# KiCad board dilemma.kicad_pcb (continued)
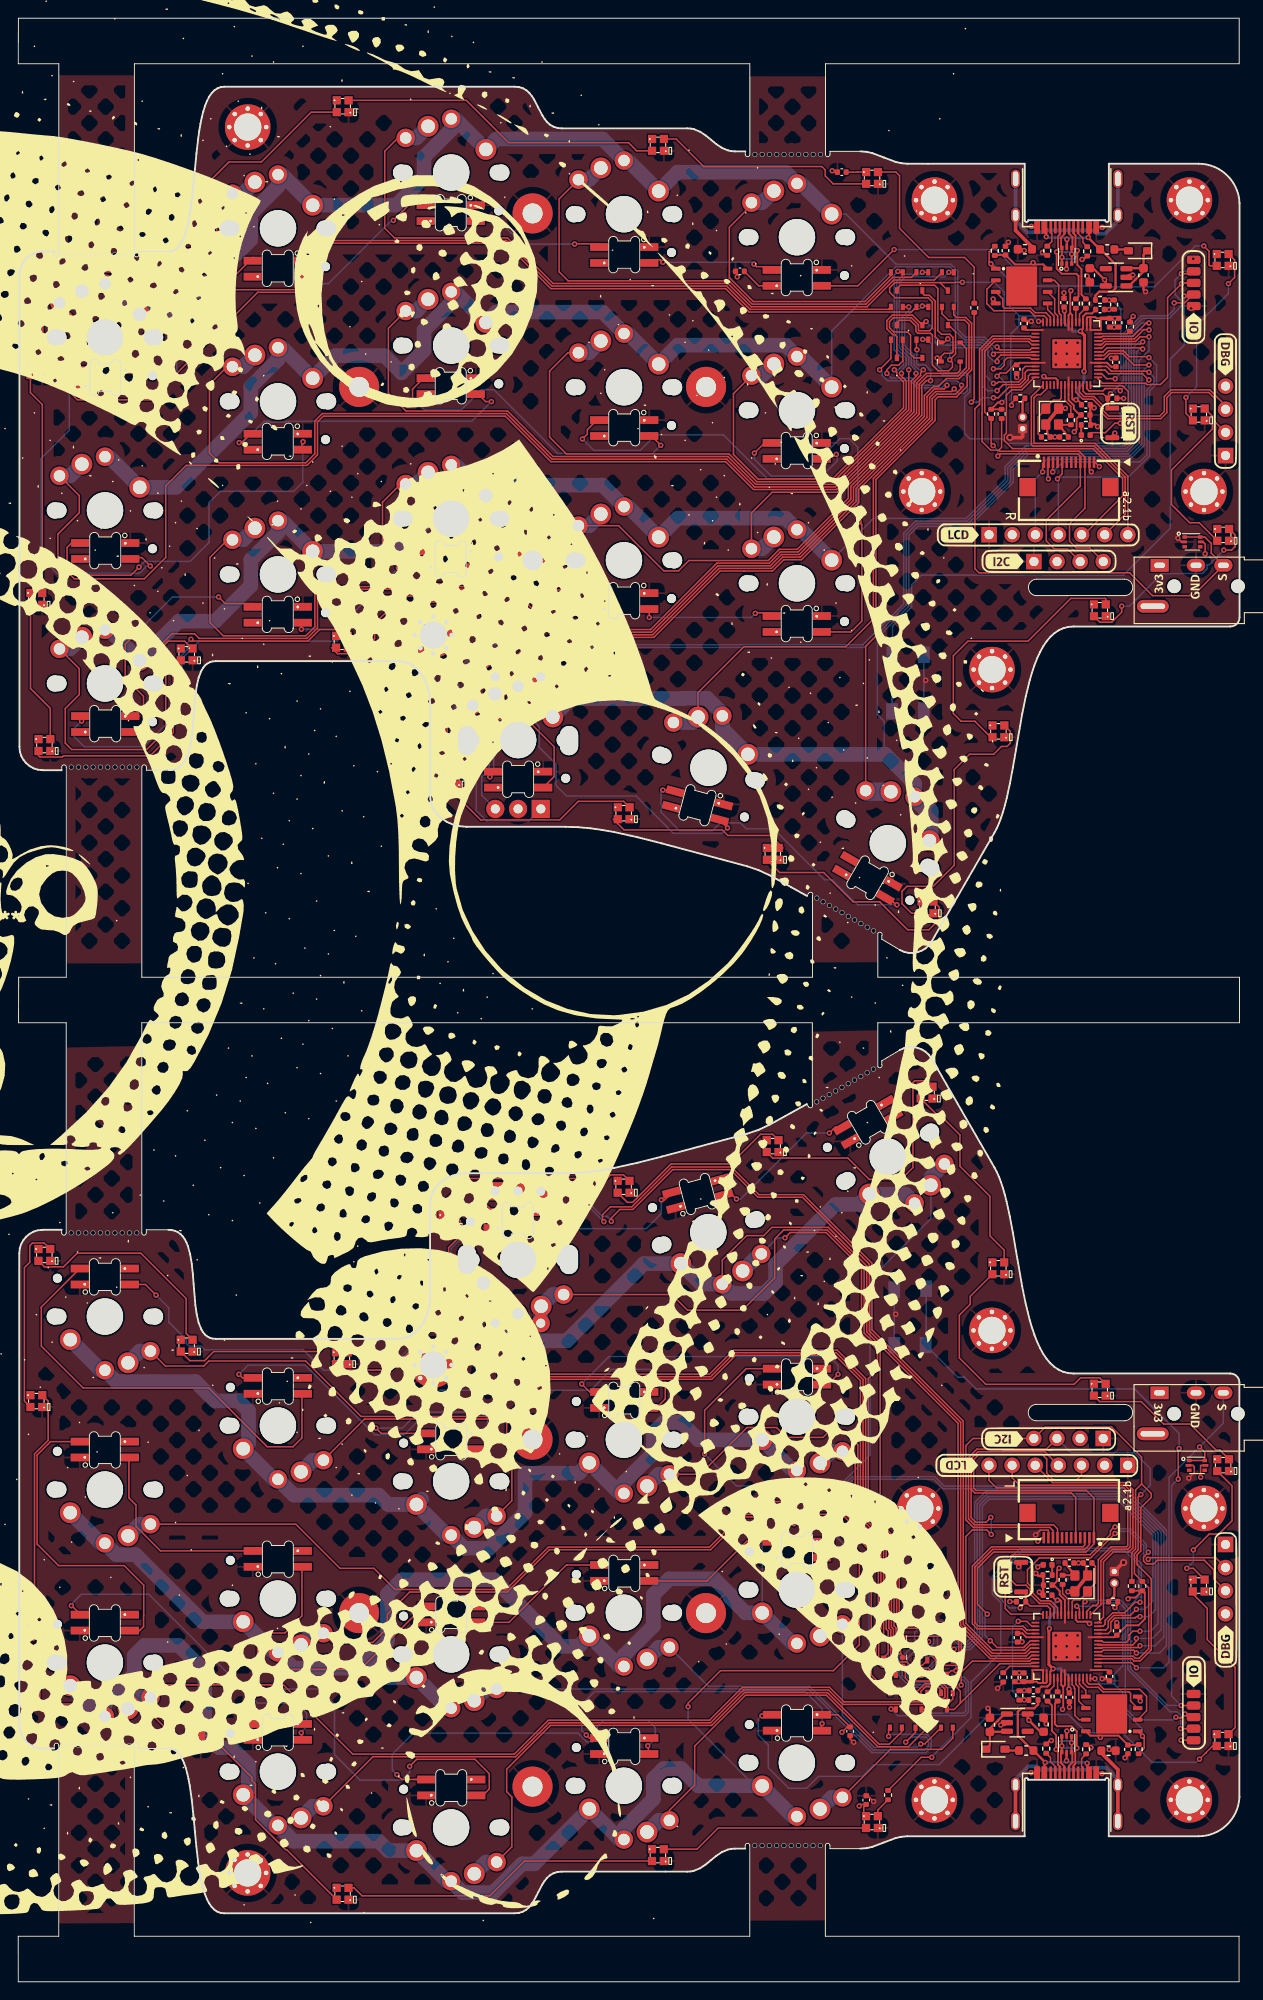
[diagram p0: board, top side]
## Routing (per net, layer and track width the routed paths; a pad name or vN(x,y) marks a point on that pad's centre or on a via; arc(x,y) is an arc through that point) (continued)
  Bottom w0.16: v1(99.41,177) 98.93,177 98.38,177.55 98.38,178.63 97.36,179.65 97.36,182.65 98.39,183.69 98.99,183.69 v1(99.31,184)
  Bottom w1.6: SW102.2 5.71,165.35 SW102.2
Net-(D30-A-Pad2): length 120.3
  Top w0.16: SW101.2 6.71,182.18 6.71,179.94 5.37,178.6 5.37,174.82 6.49,173.7 14.51,173.7 26.31,185.5 31.71,185.5 32.97,186.76 32.97,190.36 33.51,190.9 53.51,190.9 58.51,185.9 77.71,185.9 80.26,183.34 98.1,183.34 D30.2
  Bottom w1.6: SW101.2 5.71,184.35 SW101.2
Net-(D31-A-Pad1): length 116
  Top w0.16: SW105.2 22.94,177.33 21.01,175.4 21.01,167.85 22.07,166.79 31.59,166.79 32.58,167.77 32.58,171.38 33.39,172.19 53.63,172.19 58.63,167.19 77.83,167.19 80.88,164.14 89.76,164.14 98.09,172.47 98.09,175.77 98.61,176.29 v1(98.61,176.6) ; v1(97.81,183.9) D31.1
  Bottom w0.16: v1(98.61,176.6) 98.61,176.91 98.09,177.43 98.09,178.51 97.07,179.53 97.07,182.77 97.96,183.65 97.71,183.9 v1(97.81,183.9)
  Bottom w1.6: SW105.2 24.71,177.33 SW105.2
Net-(D31-A-Pad2): length 94.7
  Top w0.16: D31.2 95.59,183.63 80.38,183.63 77.83,186.19 58.63,186.19 53.63,191.19 33.39,191.19 32.68,190.48 32.68,186.87 31.59,185.79 23.87,185.79 21.81,187.85 21.81,194.6 SW104.2
  Bottom w1.6: SW104.2 24.71,196.33 SW104.2
Net-(D32-A-Pad1): length 98.3
  Top w0.16: D32.1 v1(102.21,187.7) ; v1(97.81,177) 97.81,172.59 89.64,164.42 81,164.42 77.95,167.47 58.75,167.47 53.75,172.47 42.59,172.47 40.66,174.4 40.66,181.55 SW108.2
  Bottom w0.16: v1(97.81,177) 97.81,178.39 96.79,179.41 96.79,179.71 96.79,186.57 97.41,187.19 100.11,187.19 100.12,187.2 101.71,187.2 v1(102.21,187.7)
  Bottom w1.6: SW108.2 43.74,183.45 SW108.2
Net-(D32-A-Pad2): length 80.7
  Top w0.16: D32.2 100.62,186.86 96.17,186.86 93.22,183.92 80.5,183.92 77.95,186.47 58.75,186.47 53.75,191.47 41.34,191.47 40.26,192.55 40.26,201 41.71,202.45 SW107.2
  Bottom w1.6: SW107.2 43.74,202.45 SW107.2
Net-(D33-A-Pad1): length 77.5
  Top w0.16: v1(97.01,176.6) 97.01,176.29 97.21,176.09 97.23,176.09 97.52,175.79 97.52,172.71 89.52,164.71 81.12,164.71 78.06,167.76 60.2,167.76 58.36,169.6 58.36,176.85 60.39,178.88 SW113.2 ; v1(99.31,187.7) 99.95,187.7 D33.1
  Bottom w0.16: v1(99.31,187.7) 99.09,187.48 97.29,187.48 96.5,186.69 96.5,179.29 97.52,178.27 97.52,177.43 97.01,176.91 v1(97.01,176.6)
  Bottom w1.6: SW113.2 62.71,178.88 SW113.2
Net-(D33-A-Pad2): length 56.2
  Top w0.16: D33.2 98.09,187.14 96.05,187.14 93.11,184.2 80.62,184.2 78.06,186.76 60.4,186.76 59.41,187.75 59.41,195.75 SW112.2
  Bottom w1.6: SW112.2 62.71,197.88 SW112.2
Net-(D34-A-Pad1): length 52.8
  Top w0.16: D34.1 96.71,187.7 v1(96.61,187.8) ; v1(96.23,177) 96.5,176.72 96.5,176.39 97.09,175.8 97.11,175.8 97.24,175.67 97.24,172.83 89.4,164.99 81.26,164.99 78.56,167.7 78.56,174.38 SW116.2
  Bottom w0.16: v1(96.23,177) 96.69,177 96.72,177.03 96.72,177.03 97.24,177.55 97.24,178.15 96.21,179.18 96.21,187.4 v1(96.61,187.8)
  Bottom w1.6: SW116.2 81.71,176.35 SW116.2
Net-(D34-A-Pad2): length 32.6
  Top w0.16: D34.2 95.86,187.36 92.99,184.49 80.74,184.49 78.18,187.05 78.11,187.05 78.11,192.65 80.53,195.08 SW115.2
  Bottom w1.6: SW115.2 81.71,195.35 SW115.2
Net-(D35-A-Pad1): length 73.2
  Top w0.16: v1(95.41,176.6) 95.41,177 95.91,177.5 96.71,177.5 97.16,177.95 D35.1 ; v1(103.61,175.3) 103.61,174.98 102.94,174.32 100.89,174.32 100.39,173.82 100.39,171.52 93.92,165.06 93.92,149.61 90.91,146.6 79.71,146.6 74.67,141.56 SW118.2
  Bottom w0.16: v1(95.41,176.6) 95.91,176.09 98.12,176.09 98.91,175.3 101.11,175.3 101.61,175.81 103.1,175.81 v1(103.61,175.3)
  Bottom w1.6: SW118.2 74.07,138.27 SW118.2
Net-(D35-A-Pad2): length 156.1
  Top w0.16: D35.2 95.86,178.25 v1(94.61,177) ; v1(102.01,175.3) 102.01,175.2 101.7,174.89 100.65,174.89 99.81,174.06 99.81,171.76 92.03,163.97 92.03,162.54 85.91,156.42 83.96,156.42 82.73,155.19 76.97,155.19 69.68,147.9 58.51,147.9 53.51,152.9 33.51,152.9 32.87,152.26 32.87,148.66 31.71,147.5 19.88,147.5 19.37,148.01 16.87,148.01 15.68,146.82 15.68,144.42 16.2,143.9 16.2,137.4 14.11,135.3 5.87,135.3 5.17,136 5.17,139.8 6.71,141.34 6.71,144.18 SW103.2
  Bottom w0.16: v1(102.01,175.3) 101.7,175.3 101.7,175.29 101.43,175.01 98.79,175.01 98,175.8 95.48,175.8 94.9,176.39 94.9,176.7 v1(94.61,177)
  Bottom w1.6: SW103.2 5.71,146.35 SW103.2
Net-(D36-A-Pad1): length 63.3
  Top w0.16: D36.1 102.76,183.05 103.07,182.74 104.07,182.74 104.71,182.1 104.71,176.99 104.22,176.5 104.22,175.19 103.07,174.05 103.07,174.03 101.04,174.03 100.71,173.7 100.71,171.44 94.21,164.94 94.21,147.76 93.08,146.63 SW119.2
  Bottom w2: SW119.2 93.2,130.67 SW119.2
Net-(D36-A-Pad2): length 127
  Top w0.16: D36.2 101.46,183.15 102.15,182.46 103.95,182.46 104.43,181.98 104.43,177.11 103.35,176.03 101.94,176.03 101.09,175.18 100.53,175.18 99.53,174.18 99.53,171.88 91.74,164.09 91.74,162.66 85.79,156.71 83.84,156.71 82.61,155.48 76.85,155.48 69.56,148.19 58.63,148.19 53.63,153.19 33.39,153.19 32.58,152.38 32.58,148.77 31.59,147.79 22.52,147.79 21.06,149.25 21.06,156.4 22.99,158.33 SW106.2
  Bottom w1.6: SW106.2 24.71,158.33 SW106.2
Net-(D37-A-Pad2): length 96.5
  Top w0.16: v1(100.21,175.81) 99.75,175.81 99.24,175.3 99.24,172 91.45,164.21 91.45,162.78 85.67,157 83.72,157 82.49,155.76 76.73,155.76 69.44,148.47 58.75,148.47 53.72,153.5 41.56,153.5 40.01,155.05 40.01,162.45 42.01,164.45 SW109.2 ; D37.2 98.66,179.14
  Bottom w0.16: v1(100.21,175.81) 100.21,176.91 99.62,177.5 98.83,177.5 98.67,177.66 98.67,179.16 v1(98.71,179.2)
  Bottom w1.6: SW109.2 43.74,164.45 SW109.2
Net-(D112-A): length 62.7
  Top w0.16: D112.2 104.14,179.32 104.14,177.23 103.23,176.31 99.85,176.31 98.95,175.42 98.95,172.12 91.17,164.33 91.17,162.9 85.55,157.28 83.6,157.28 82.37,156.05 73.66,156.05 72.52,154.91 70.92,154.91 65.95,159.88 SW114.2
  Bottom w1.6: SW114.2 62.71,159.88 SW114.2
Net-(D115-A): length 39.2
  Top w0.16: SW117.2 80.53,161.28 82.81,163.55 89.98,163.55 98.67,172.23 98.67,175.54 99.73,176.6 103.11,176.6 103.46,176.95 D115.2
  Bottom w1.6: SW117.2 81.71,157.35 SW117.2
Net-(D5001-K): length 1.1
  Top w0.2: 113.54,45.68 113.57,45.65 113.57,44.56
Net-(D5002-A-Pad1): length 118.2
  Top w0.16: SW5003.2 30.49,50.25 35.34,45.39 39.07,45.39 41.39,43.08 53.57,43.08 58.22,47.72 75.92,47.72 79.53,51.33 89.45,51.33 89.45,51.33 90.88,51.33 94.76,47.45 94.76,38.77 94.51,38.52 94.51,35.32 94.99,34.83 97.3,34.83 97.69,34.45 99.93,34.45 100.5,33.88 100.5,33.42 101.79,32.13 101.79,31.27 101.62,31.1 100.96,31.1 100.86,31.2 100.86,32.15 100.27,32.74 99.59,32.74 98.55,31.7 D5002.1
  Bottom w1.6: SW5003.2 13.34,50.25 SW5003.2
Net-(D5002-A-Pad2): length 96.5
  Top w0.16: SW5002.2 15.88,32.6 29.14,32.6 36.74,25 54.5,25 58.22,28.72 75.92,28.72 79.53,32.33 89.11,32.33 90.7,30.75 99.51,30.75 99.85,31.08 D5002.2
  Bottom w1.6: SW5002.2 13.34,31.25 SW5002.2
Net-(D5003-A-Pad1): length 74.7
  Top w0.16: D5003.1 101.35,35.78 v1(101.57,36) ; v1(100.01,38.44) 99.63,38.81 97.48,38.81 96.48,39.81 96.48,48.17 93.36,51.28 93.36,66.22 94.38,67.24 94.38,69.35 92.62,71.11 92.62,78.37 88.73,82.27 84.79,82.27 v1(84.22,81.69)
  Bottom w0.16: v1(100.01,38.44) 100.56,37.88 100.56,37.53 100.55,37.52 100.55,37.18 100.05,36.68 98.82,36.68 97.67,35.53 97.67,33.51 97.95,33.23 98.51,33.23 98.84,33.56 99.37,33.56 101.57,35.76 v1(101.57,36) ; v1(84.22,81.69) 83.38,81.69 SW5005.2
  Bottom w1.6: SW5005.2 81.44,79.92 SW5005.2
Net-(D5003-A-Pad2): length 127.2
  Top w0.16: D5003.2 102.19,35.76 102.19,36.33 101.96,36.56 98.67,36.56 98.61,36.62 98.61,36.89 98.45,37.05 96.6,37.05 96.41,37.23 96.41,38.86 96.19,39.08 96.19,48.04 93.08,51.16 93.08,66.24 89.96,69.36 78.56,69.36 75.92,66.72 58.22,66.72 53.57,62.08 37.66,62.08 31.57,68.16 20.94,68.16 20.38,67.61 16.16,67.61 SW5004.2
  Bottom w1.6: SW5004.2 13.34,69.25 SW5004.2
Net-(D5004-A): length 1.6
  Top w0.25: D5004.2 108.53,25.39 F5001.2
Net-(D5005-A-Pad1): length 93.9
  Top w0.16: D5005.1 101.35,32.06 100.39,33.02 97.77,33.02 97.44,33.36 97.44,34.1 96.99,34.55 94.87,34.55 94.22,35.2 94.22,38.64 94.47,38.89 94.47,47.33 90.76,51.05 89.7,51.05 89.7,51.04 79.65,51.04 76.04,47.44 58.34,47.44 53.69,42.79 42.99,42.79 40.55,40.35 40.55,38.86 38.94,37.26 34.54,37.26 SW5007.2
  Bottom w1.6: SW5007.2 32.34,38.27 SW5007.2
Net-(D5005-A-Pad2): length 79
  Top w0.16: D5005.2 102.65,31.04 102.07,30.46 90.58,30.46 88.99,32.04 79.65,32.04 76.04,28.44 58.34,28.44 54.61,24.71 38.96,24.71 SW5006.2
  Bottom w1.6: SW5006.2 32.34,19.27 SW5006.2
Net-(D5006-A-Pad1): length 66.9
  Top w0.16: D5006.1 95.69,31.7 93.7,33.69 93.7,47.21 90.38,50.53 v1(89.1,50.53)
  Bottom w0.16: SW5009.2 100.24,83.79 93.56,77.11 93.56,57.84 89.49,53.77 89.49,50.92 v1(89.1,50.53)
  Bottom w1.6: SW5009.2 100.24,88.31 SW5009.2
Net-(D5006-A-Pad2): length 116.5
  Top w0.16: D5006.2 97.6,31.14 98.98,31.14 99.15,31.31 99.15,31.89 99.71,32.45 100.09,32.45 100.57,31.97 100.57,31.08 100.84,30.81 101.73,30.81 102.07,31.15 102.07,32.25 100.79,33.53 100.79,35.35 99.86,36.27 98.55,36.27 98.32,36.5 98.32,36.74 96.51,36.74 96.13,37.11 96.13,38.74 95.91,38.96 95.91,47.93 92.79,51.04 92.79,66.13 89.84,69.07 78.68,69.07 76.04,66.44 58.34,66.44 53.69,61.79 38.04,61.79 SW5008.2
  Bottom w1.6: SW5008.2 32.34,57.27 SW5008.2
Net-(D5007-A-Pad1): length 60.8
  Top w0.16: v1(95.6,26.95) 95.6,27.75 D5007.1
  Bottom w0.16: v1(95.6,26.95) 95.81,27.17 99.79,27.17 100.26,26.7 100.26,25.72 99.7,25.16 93.77,25.16 86.76,32.17 69.79,32.17 69.76,32.15 SW5011.2
  Bottom w1.6: SW5011.2 51.37,32.15 SW5011.2
Net-(D5007-A-Pad2): length 64.3
  Top w0.16: D5007.2 97.05,27.47 95.67,26.09 94.54,26.09 88.87,31.76 79.77,31.76 76.16,28.15 58.46,28.15 53.65,23.34 53.65,20.87 54.22,20.3 54.22,14.82 SW5010.2
  Bottom w1.6: SW5010.2 51.37,13.15 SW5010.2
Net-(D5008-A-Pad2): length 93.4
  Top w0.16: D5008.2 99.29,34.74 97.98,34.74 97.61,35.12 96.69,35.12 95.84,35.97 95.84,38.62 95.62,38.84 95.62,47.81 92.5,50.92 92.5,66.01 89.72,68.79 78.8,68.79 76.16,66.15 58.46,66.15 53.65,61.34 53.65,58.87 54.22,58.3 54.22,52.82 SW5012.2
  Bottom w1.6: SW5012.2 51.37,51.15 SW5012.2
Net-(D5009-A): length 52.1
  Top w0.16: D5009.2 95.55,36.11 95.55,38.5 95.33,38.72 95.33,47.69 92.22,50.8 92.22,58.96 90.73,60.45 89.08,60.45 88.4,59.77 84.37,59.77 83.29,60.86 80.05,60.86 74.91,55.72 SW5016.2
  Bottom w1.6: SW5016.2 70.34,55.72 SW5016.2
Net-(D5010-A-Pad1): length 41.9
  Top w0.16: v1(97.47,26.31) 98.55,27.39 D5010.1
  Bottom w0.16: v1(97.47,26.31) 98.04,26.88 99.68,26.88 99.98,26.58 99.98,25.84 99.59,25.45 93.89,25.45 86.88,32.46 75.79,32.46 SW5015.2
  Bottom w1.6: SW5015.2 70.34,36.72 SW5015.2
Net-(D5010-A-Pad2): length 43.4
  Top w0.16: SW5014.2 71.52,18.84 74.3,21.61 74.3,25.88 79.89,31.47 88.76,31.47 94.42,25.81 97.77,25.81 D5010.2
  Bottom w1.6: SW5014.2 70.34,17.72 SW5014.2
Net-(D5011-A): length 25.4
  Top w0.16: SW5019.2 91.93,56.84 91.93,50.69 95.05,47.57 95.05,37.7 D5011.2
  Bottom w1.6: SW5019.2 89.34,58.25 SW5019.2
Net-(D5012-A-Pad1): length 26.2
  Top w0.16: D5012.1 99.57,26.12 v1(99.13,26.12)
  Bottom w0.16: SW5018.2 90.52,29.24 94.03,25.74 98.74,25.74 v1(99.13,26.12)
  Bottom w1.6: SW5018.2 89.34,39.25 SW5018.2
Net-(D5012-A-Pad2): length 19
  Top w0.16: D5012.2 102.65,26.75 101.42,25.52 95.8,25.52 SW5017.2
  Bottom w1.6: SW5017.2 89.34,20.25 SW5017.2
Net-(D5013-DIN): length 2.3
  Top w0.16: D5013.1 94.42,18.87 R5015.2
Net-(D5013-DOUT): length 22.2
  Top w0.16: 71.38,14.56 74.56,14.56 76.89,16.89 92.62,16.89
Net-(D5014-DIN): length 19.7
  Top w0.16: D5014.1 35.54,69.78 33.64,69.78 33.07,69.2 21.47,69.2 20.47,68.2 18.85,68.2 D5028.3
Net-(D5014-DOUT): length 26.8
  Top w0.16: D5014.3 35.56,67.16 40.93,67.16 47.27,73.5 47.27,80.6 48.57,81.9 48.57,83.54 D5017.1
Net-(D5015-DIN): length 17.9
  Top w0.16: D5030.3 129.01,42.59 130.6,41 130.6,37.57 133.66,34.51 133.66,27.91 D5015.1
Net-(D5016-DOUT): length 34.8
  Top w0.16: 69.11,13.26 55.62,13.26 51.8,9.44 37.77,9.44 36.89,10.32 D5018.1
Net-(D5017-DOUT): length 25.4
  Top w0.16: D5019.1 66.48,88.6 65.07,88.6 64.67,88.2 49.3,88.2 45.95,84.86 45.95,83.22 46.27,82.9 D5017.3
Net-(D5018-DOUT): length 24.8
  Top w0.16: D5018.3 29.49,14.5 29.37,14.5 26.06,17.81 26.06,21.71 25.67,22.1 25.67,22.44 21.1,27.01 D5020.1
Net-(D5019-DOUT): length 21.5
  Top w0.16: D5019.3 66.9,85.58 67.49,85.58 71.7,89.8 78.27,89.8 81.53,93.06 82.86,93.06 D5021.1
Net-(D5020-DOUT): length 28.1
  Top w0.16: D5022.1 3.3,38.51 3.3,37.23 2.37,36.3 2.37,31 2.87,30.5 6.27,30.5 7.09,31.32 12.72,31.32 16.54,27.5 16.97,27.5 D5020.3
Net-(D5021-DOUT): length 29.7
  Top w0.16: D5023.1 99.76,98.94 98.46,98.94 98.27,98.74 98.27,89.4 96.97,88.1 93.47,88.1 91.12,90.45 82.87,90.45 D5021.3
Net-(D5022-DOUT): length 28.2
  Top w0.16: D5024.1 3.3,63.75 3.3,59.46 1.79,57.95 1.79,41.92 0.68,40.81 0.68,38.53 D5022.3
Net-(D5023-DOUT): length 22
  Top w0.16: D5023.3 101.03,95.07 101.36,95.07 103.44,92.99 103.44,89.54 106.73,86.25 106.73,81.9 108.29,80.34 D5025.1
Net-(D5024-DOUT): length 20.9
  Top w0.16: D5024.3 0.68,63.77 0.68,78.41 1.27,79 1.27,80.82 1.56,81.12 2.86,81.12 D5026.1
Net-(D5025-DOUT): length 28.5
  Top w0.16: D5027.1 118.78,66.32 116.68,66.32 115.97,65.6 106.27,65.6 103.37,68.5 103.37,73.2 104.57,74.4 104.57,75.27 D5025.3
Net-(D5026-DOUT): length 24
  Top w0.16: D5028.1 18.45,71.2 18.45,75.02 13.47,80 6.47,80 4.97,78.5 2.88,78.5 D5026.3
Net-(D5027-DOUT): length 17.7
  Top w0.16: D5029.1 131.98,58.39 131.56,58.39 128.71,61.24 125.81,61.24 123.34,63.7 118.8,63.7 D5027.3
Net-(D5029-DOUT): length 16.6
  Top w0.16: 128.35,45.29 v1(128.35,45.4) 129.07,45.4 D5030.1 ; D5029.3 133.32,54.45 133.32,50.62 131.86,49.16 130.81,49.16 v1(129.07,47.42)
  Bottom w0.16: v1(128.35,45.4) 129.07,46.12 v1(129.07,47.42)
Net-(D5031-DOUT): length 14
  Top w0.16: v1(70.81,188.8) 70.53,189.08 69.21,189.08 ; v1(80.81,188.6) 81.09,188.32 82.86,188.32
  Bottom w0.16: v1(70.81,188.8) 80.61,188.8 v1(80.81,188.6)
Net-(D5032-DIN): length 37.2
  Top w0.16: 44.86,176.43 43.31,174.88 43.31,173.75 43.81,173.25 v1(43.96,173.25) ; v1(70.57,168.7) 70.57,168.71 69.21,170.08
  Bottom w0.16: v1(70.57,168.7) 69.67,167.8 59.26,167.8 52.26,174.8 50.86,174.8 48.66,172.6 44.61,172.6 v1(43.96,173.25)
Net-(D5032-DOUT): length 37.7
  Top w0.16: v1(89.86,167.7) 89.72,167.57 88.16,167.57 ; 63.91,171.83 62.51,170.43 62.51,169.94 v1(61.97,169.4)
  Bottom w0.16: v1(61.97,169.4) 63.22,168.15 68.31,168.15 70.01,169.85 77.46,169.85 82.26,165.05 88.01,165.05 89.96,167 89.96,167.6 v1(89.86,167.7)
Net-(D5033-DIN): length 36.6
  Top w0.16: 72.38,130.86 70.82,130.86 v1(70.81,130.85) ; 95.27,119.39 96.41,118.25 v1(96.51,118.25)
  Bottom w0.16: v1(70.81,130.85) 70.61,130.65 70.61,128.4 72.62,126.39 76.26,126.39 77.12,127.25 79.31,127.25 79.96,126.6 82.96,126.6 88.56,121 89.47,121 92.22,118.25 v1(96.51,118.25)
Net-(D5034-DOUT): length 15
  Top w0.16: v1(51.61,193.55) 50.28,193.55 50.16,193.68 ; 63.91,190.83 61.13,190.83 v1(61.11,190.8)
  Bottom w0.16: v1(51.61,193.55) 52.58,193.55 54.13,192 54.21,192 55.41,190.8 v1(61.11,190.8)
Net-(D5035-DOUT): length 42.4
  Top w0.16: 88.16,148.22 91.47,148.22 92.66,149.4 92.66,160 v1(92.36,160.3) ; 82.86,169.32 82.32,169.32 v1(80.86,167.85)
  Bottom w0.16: v1(80.86,167.85) 80.86,167.18 82.7,165.34 87.19,165.34 88.96,167.1 88.96,168.15 90.26,169.45 91.26,169.45 92.21,168.5 92.21,160.45 v1(92.36,160.3)
Net-(D5036-DOUT): length 18.5
  Top w0.16: 31.16,187.58 31.21,187.53 v1(31.21,186.45) ; 44.86,195.43 43.23,195.43 v1(41.21,193.4)
  Bottom w0.16: v1(41.21,193.4) 41.01,193.4 34.06,186.45 v1(31.21,186.45)
Net-(D5037-DOUT): length 15.1
  Top w0.16: v1(69.31,149.8) 69.31,150.98 69.21,151.08 ; v1(80.96,150.25) 81.02,150.32 82.86,150.32
  Bottom w0.16: v1(80.96,150.25) 80.51,149.8 v1(69.31,149.8)
Net-(D5038-DOUT): length 23.2
  Top w0.16: 25.86,189.33 25.78,189.33 v1(23.46,187) ; 12.21,175.58 12.56,175.23 v1(12.56,174.35)
  Bottom w0.16: v1(12.56,174.35) 14.86,174.35 17.41,176.9 17.41,180.95 v1(23.46,187)
Net-(D5039-DOUT): length 14.9
  Top w0.16: 63.91,152.83 55.23,152.83 52.38,155.68 50.16,155.68
Net-(D5040-DOUT): length 38.5
  Top w0.16: 6.91,177.33 6.91,177 v1(6.51,176.6) ; v1(14.51,155.45) 13.58,156.38 12.21,156.38
  Bottom w0.16: v1(6.51,176.6) 5.61,175.7 5.61,170.35 2.51,167.25 2.51,156.4 4.26,154.65 13.31,154.65 14.11,155.45 v1(14.51,155.45)
Net-(D5041-DOUT): length 18.5
  Top w0.16: 44.86,157.43 43.93,157.43 v1(41.76,155.25) ; v1(31.11,148.5) 31.11,149.53 31.16,149.58
  Bottom w0.16: v1(31.11,148.5) 35.01,148.5 v1(41.76,155.25)
Net-(D5042-DOUT): length 42.2
  Top w0.16: 31.26,169.27 31.16,169.17 31.16,168.38 ; D5042.1 5.84,157.98 5.37,157.5 5.37,155.6 6.52,154.45 12.39,154.45 v1(13.27,155.33)
  Bottom w0.16: 31.26,169.27 31.26,164.65 30.26,163.65 22.21,163.65 20.96,162.4 20.96,158.05 18.86,155.96 13.9,155.96 v1(13.27,155.33)
  vias: v1(31.29,169.1)
Net-(D5043-DOUT): length 27.9
  Top w0.16: 25.86,151.33 22.73,151.33 v1(22.01,152.05) ; v1(12.71,147.8) 11.76,146.85 11.76,143.15 13.76,141.15 13.76,138.1 13.23,137.58 12.21,137.58
  Bottom w0.16: v1(12.71,147.8) 16.96,152.05 v1(22.01,152.05)
Net-(D5044-DOUT): length 34.1
  Top w0.16: 25.86,170.33 24.53,169 v1(24.27,169) ; v1(51.97,173.5) 51.33,173.5 50.16,174.68
  Bottom w0.16: v1(51.97,173.5) 49.82,171.35 29.44,171.35 29.32,171.24 27.69,171.24 27.58,171.35 27.01,171.35 24.66,169 v1(24.27,169)
Net-(D5045-DOUT): length 90.4
  Top w0.16: 6.91,139.33 6.96,139.28 v1(6.96,138.43) ; D5047.3 58.87,132.33 58.87,135.6 55.85,138.61 49.98,138.61 49.77,138.4 49.26,138.4 48.11,139.55 48.11,140.95 51.91,144.75 51.91,151.2 50.96,152.15 39.96,152.15 v1(36.91,149.1)
  Bottom w0.16: v1(6.96,138.43) 6.17,137.64 6.17,136.7 7.27,135.6 13.76,135.6 17.16,139 17.16,141.7 17.96,142.5 17.96,145.25 19.91,147.2 35.01,147.2 v1(36.91,149.1)
Net-(D5047-DOUT): length 42.3
  Top w0.16: v1(51.81,132.3) 51.81,132.67 52.26,133.12 ; 76.99,127.61 v1(77.9,126.7)
  Bottom w0.16: v1(51.81,132.3) 52.22,132.71 52.22,137.9 53.02,138.7 56.37,138.7 57.22,137.85 57.22,135.55 59.07,133.7 59.07,131.35 60.22,130.2 67.86,130.2 71.96,126.1 77.31,126.1 v1(77.9,126.7)
Net-(D5049-DOUT): length 35.4
  Top w0.16: 88.19,27.57 88.19,28.25 v1(88.29,28.35) ; v1(62.39,27.1) 62.72,26.76 63.91,26.76
  Bottom w0.16: v1(88.29,28.35) 88.29,30 86.42,31.86 63.3,31.86 61.89,30.45 61.89,27.6 v1(62.39,27.1)
Net-(D5050-DIN): length 16.3
  Top w0.16: 63.91,45.76 60.27,45.76 60.24,45.8 53.9,39.46 50.21,39.46
Net-(D5050-DOUT): length 15.5
  Top w0.16: 69.21,44.01 75.65,44.01 80.04,48.4 80.11,48.32 82.89,48.32
Net-(D5051-DIN): length 16.6
  Top w0.16: v1(89.09,93.2) 89.74,93.84 90.61,93.84 ; v1(78.89,85.95) 78.46,86.38 77.43,86.38
  Bottom w0.16: v1(78.89,85.95) 79.34,85.95 86.59,93.2 v1(89.09,93.2)
Net-(D5052-DOUT): length 42.9
  Top w0.16: 69.21,25.01 69.21,25.84 v1(69.14,25.91) ; v1(41.59,22.75) 42.12,22.21 44.91,22.21 43.47,22.21
  Bottom w0.16: v1(41.59,22.75) 41.09,23.25 41.09,25 43.39,27.3 61.47,27.3 62.42,26.35 63.09,26.35 63.59,26.85 63.59,28 64.29,28.7 69.17,28.7 69.97,27.9 69.97,26.7 69.18,25.91 v1(69.14,25.91)
Net-(D5053-DOUT): length 37
  Top w0.16: D5053.1 88.84,46.57 89.57,47.3 89.57,48.88 88.15,50.3 v1(85.19,50.3) ; v1(75.39,57.95) 75.39,62.75 79.96,67.32 82.89,67.32
  Bottom w0.16: v1(75.39,57.95) 78.89,54.45 83.89,54.45 84.34,54 84.34,51.15 v1(85.19,50.3)
Net-(D5054-DOUT): length 41.8
  Top w0.16: 25.86,28.31 25.86,31.07 v1(26.39,31.6) ; v1(42.99,23.65) 43.77,24.43 50.17,24.43 51.74,22.85 51.74,21.17 51.03,20.46 D5054.1
  Bottom w0.16: v1(42.99,23.65) 42.99,23 42.14,22.15 37.54,22.15 34.74,24.95 34.74,30.5 33.09,32.15 26.99,32.15 26.44,31.6 v1(26.39,31.6)
Net-(D5055-DOUT): length 35.5
  Top w0.16: 88.19,65.57 88.91,65.57 v1(90.04,66.7) ; 63.91,64.76 62.77,64.76 v1(61.89,65.64)
  Bottom w0.16: v1(90.04,66.7) 90.04,67.7 89.09,68.65 64.9,68.65 v1(61.89,65.64)
Net-(D5056-DOUT): length 36.5
  Top w0.16: v1(5.84,41.3) 5.88,41.3 6.86,40.31 ; v1(31.09,27.35) 31.16,27.27 31.16,26.56
  Bottom w0.16: v1(5.84,41.3) 5.84,41.45 6.94,42.55 14.34,42.55 26.29,30.6 30.57,30.6 31.67,29.5 31.67,28 31.09,27.42 v1(31.09,27.35)
Net-(D5057-DOUT): length 44.7
  Top w0.16: v1(39.29,60.8) 39.87,60.21 44.91,60.21 ; D5057.1 70.08,63.01 71.07,64 71.07,65.56 v1(70.99,65.64)
  Bottom w0.16: v1(70.99,65.64) 69.38,67.25 65.19,67.25 62.89,64.95 46.34,64.95 42.19,60.8 v1(39.29,60.8)
Net-(D5058-DOUT): length 35
  Top w0.16: 6.86,59.31 3.55,59.31 2.08,57.84 2.08,48.06 4.44,45.7 11.64,45.7 13.79,43.55 13.79,40.19 13.77,40.17 13.77,39 13.33,38.56 D5058.1
Net-(D5059-DOUT): length 38.3
  Top w0.16: v1(24.24,66.7) 24.62,66.31 25.86,66.31 ; v1(51.54,59.25) 50.75,58.46 50.21,58.46
  Bottom w0.16: v1(24.24,66.7) 25.24,67.7 31.54,67.7 39.19,60.05 42.39,60.05 44.89,62.55 50.89,62.55 51.54,61.9 v1(51.54,59.25)
Net-(D5060-DOUT): length 21.9
  Top w0.16: 12.16,57.56 12.16,53.12 12.94,52.35 12.94,50 15.62,47.31 25.86,47.31
Net-(D5061-DOUT): length 48.7
  Top w0.16: 31.16,64.56 31.16,59.72 30.19,58.75 27.34,58.75 25.65,60.44 25.65,60.46 20.91,65.2 7.14,65.2 2.54,69.8 2.54,74.09 D5063.3
Net-(D5062-DOUT): length 35.3
  Top w0.16: 31.16,45.56 31.16,40.17 29.29,38.3 27.44,38.3 26.29,37.15 26.29,35.2 27.19,34.3 37.59,34.3 44.5,41.21 44.91,41.21
Net-(D5063-DOUT): length 60.1
  Top w0.16: v1(50.59,86.55) 50.59,86.14 52.21,84.51 ; 12.16,76.56 13.97,76.56 v1(15.14,75.4)
  Bottom w0.16: v1(15.14,75.4) 16.54,74 16.54,72.4 16.57,72.4 18.47,70.5 18.47,70.1 18.77,69.8 20.07,69.8 20.47,69.4 31.29,69.4 33.54,67.15 40.59,67.15 47.49,74.05 47.49,80.5 48.36,81.37 48.96,81.37 50.59,83 v1(50.59,86.55)
Net-(D5065-DOUT): length 16.9
  Top w0.16: 71.85,86.7 71,85.85 v1(70.64,85.85) ; v1(59.74,82.7) 59.67,82.76 57.51,82.76
  Bottom w0.16: v1(59.74,82.7) 68.99,82.7 70.64,84.35 v1(70.64,85.85)
Net-(J1-CC1): length 2.6
  Top w0.16: J1.A5 116.41,191.97 116.94,191.44 116.94,190.98 R4.1
Net-(J1-CC2): length 2.3
  Top w0.16: R5.1 113.53,191.08 113.53,191.96 113.41,192.08 J1.B5
Net-(J1-SHIELD): length 26.3
  Top w0.4: 111.53,190.31 109.54,192.3 J1.S1
  Bottom w0.4: J1.S1 J1.S1 109.54,193.37 110.82,192.09 112.37,192.09 112.59,192.31 118.09,192.31 118.45,191.95 119.4,191.95 120.78,193.34 J1.S1 J1.S1
Net-(J5-Pin_2): length 2.2
  Top w0.25: J5.2 110.31,173.61 R3.1
Net-(J5001-CC1): length 2.6
  Top w0.16: J5001.A5 113.91,23.63 113.38,24.16 113.38,24.62 R5005.1
Net-(J5001-CC2): length 2.3
  Top w0.16: J5001.B5 116.91,23.52 116.79,23.64 116.79,24.52 R5004.1
Net-(J5001-SHIELD): length 25.1
  Top w0.4: 109.53,17.63 109.53,21.63 ; 118.79,25.29 120.78,23.3 J5001.S1 ; 120.77,17.63 120.77,21.63
  Bottom w0.4: 120.78,22.23 119.5,23.51 117.95,23.51 117.73,23.29 112.23,23.29 111.87,23.65 110.92,23.65 109.54,22.26
Net-(J5002-Pin_2): length 2.3
  Top w0.25: J5002.2 120.39,42.37 R5003.1
Net-(U1-USB_DM): length 1.9
  Top w0.16: R7.2 117.21,183.76 116.56,183.11 U1.46
Net-(U1-USB_DP): length 1.6
  Top w0.16: U1.47 R6.2
Net-(U1-XIN): length 7.3
  Top w0.16: U1.20 114.56,173.87 114.36,173.67 113.71,173.67 112.86,172.82 Y1.1 112.86,172.67 112.01,171.82 112.01,169.99 C3.1
Net-(U1-XOUT): length 3.6
  Top w0.16: R8.2 115.61,172.98 114.96,173.63 U1.21
Net-(U5002-USB_DM): length 1.9
  Top w0.16: U5002.46 113.76,32.49 113.11,31.84 R5007.2
Net-(U5002-USB_DP): length 1.6
  Top w0.16: U5002.47 R5006.2
Net-(U5002-XIN): length 7.3
  Top w0.16: C5005.1 118.31,45.61 118.31,43.78 117.46,42.93 Y5001.1 117.46,42.78 116.61,41.93 115.96,41.93 115.76,41.73 U5002.20
Net-(U5002-XOUT): length 3.6
  Top w0.16: R5008.2 114.71,42.61 115.36,41.96 U5002.21

## Copper pours and planes (outline as drawn; the poured copper is in the pictures)
+3V3 on Top: 117.96,175.94 112.36,175.94 112.36,181.54 117.96,181.54
+3V3 on In1.Cu: 135.17,111.49 -2.11,111.49 -0.12,208.44 135.97,208.44
+3V3_L on Top: 112.36,39.66 117.96,39.66 117.96,34.06 112.36,34.06
+3V3_L on In1.Cu: -1.55,102.64 52.88,100.65 135,105.55 135.13,6.21 -0.76,5.95
GND on Top, Bottom, In2.Cu: 136.03,209.15 135.03,112 -2.05,111.8 -0.26,209.35
GND_L on Top, Bottom, In2.Cu: -1.4,102.43 135.16,105.34 134.73,6.92 -0.63,6.39

## Text on the board
B.Silkscreen: L
F.Silkscreen: a2.1b | L | R
